# KiCad board jetson-nano-baseboard.kicad_pcb
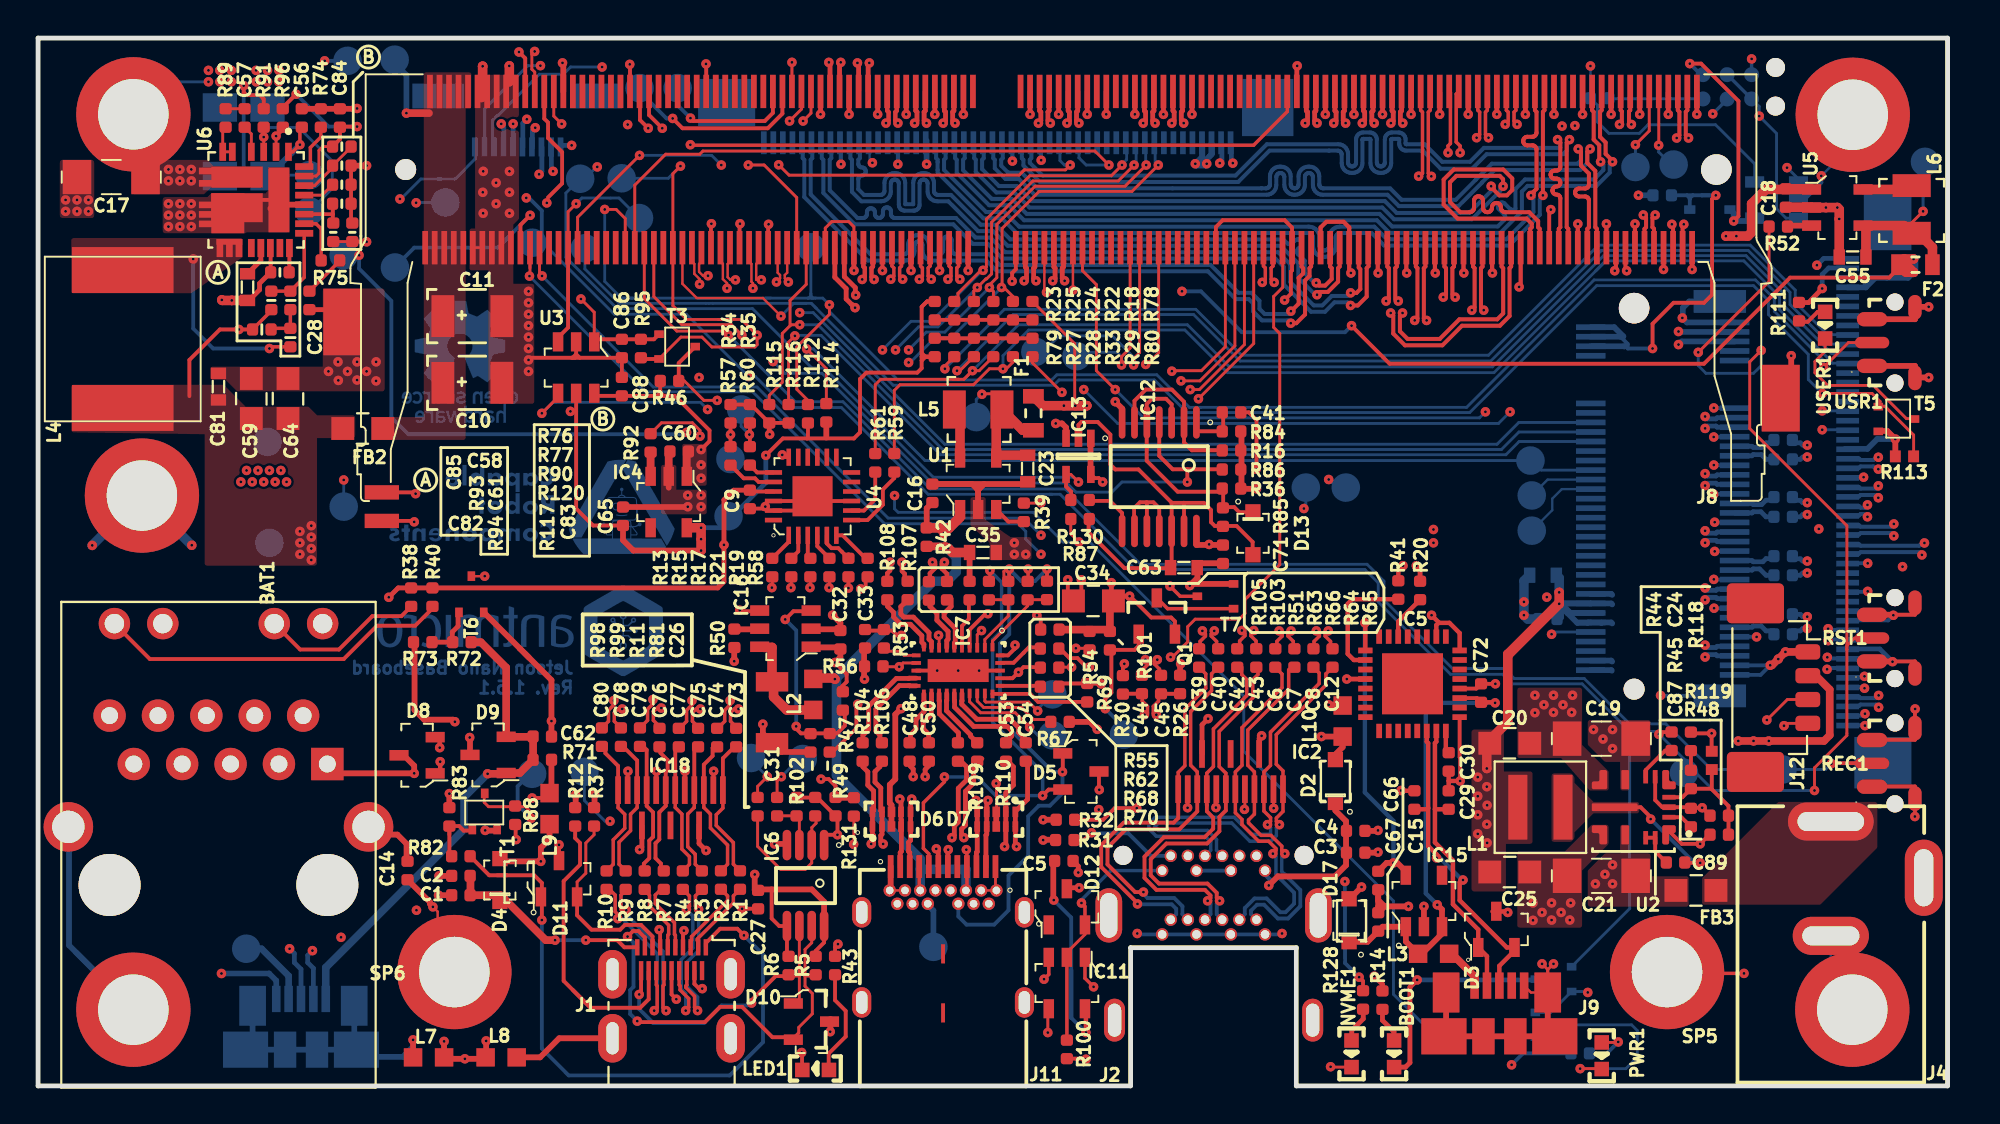
[diagram p0: board, top side]
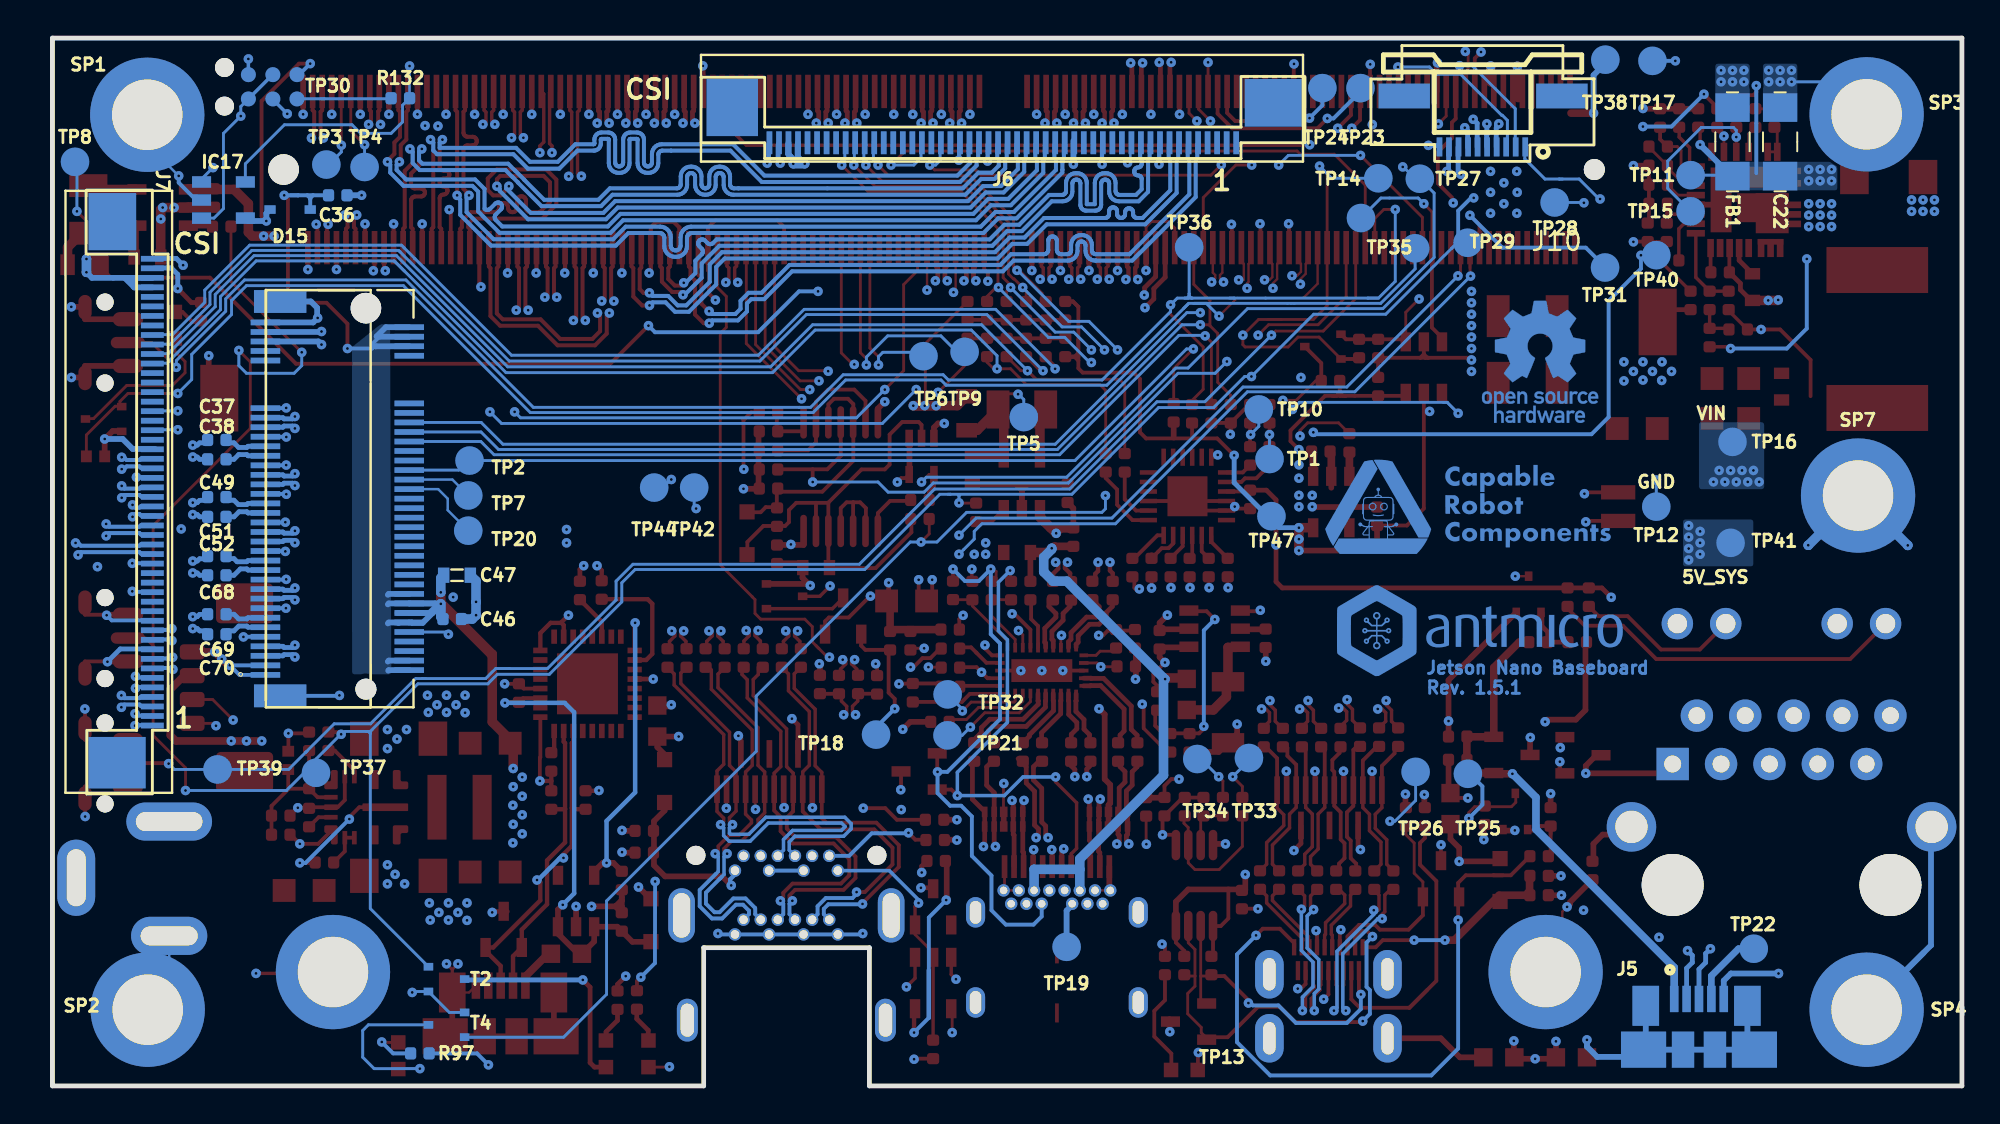
[diagram p1: board, bottom side, seen from below]

Outline 100.23 x 55 mm; copper layers: Top, In1_5V0_SYS_VIN.Cu, In2_SINGAL.Cu, In3_SIGNAL.Cu, In4_GND.Cu (plane), In5_3V3_SYS_SIGNAL.Cu, In6_GND.Cu (plane), Bottom. Coordinates in mm from the lower left corner of the outline.
Outline path: 0,55 100.23,55 100.23,0 66.04,0 66.04,7.26 57.34,7.26 57.34,0 0,0 0,55

## Placement (name value [footprint] x y rotation side)
BAT1  -  [MS621FE-FL11E]  18.04 30.41 90 top
BOOT1  ~  [LED0603]  71.18 1.68 90 top
C1  C_4u7_0402  [0402-cap]  22.19 10.01 0 top
C2  C_4u7_0402  [0402-cap]  22.19 11.02 0 top
C3  C_4u7_0402  [0402-cap]  69.16 12.24 180 top
C4  C_4u7_0402  [0402-cap]  69.16 13.39 180 top
C5  C_100n_0402  [0402-cap]  53.84 11.81 0 top
C6  C_100n_0402  [0402-cap]  64.94 22.46 270 top
C7  C_100n_0402  [0402-cap]  65.94 22.46 270 top
C8  C_100n_0402  [0402-cap]  66.94 22.46 270 top
C9  C_100n_0402  [0402-cap]  37.36 30.78 270 top
C10  C_330u_KEMET_B  [KEMET_B]  21.24 36.91 0 top
C11  C_330u_KEMET_B  [KEMET_B]  21.24 40.41 0 top
C12  C_100n_0402  [0402-cap]  67.94 22.46 270 top
C14  C_100p_0402  [0402-cap]  19.39 11.31 270 top
C15  C_47p_0402  [0402-cap]  72.24 15.01 270 top
C16  C_2u2_0402  [0402-cap]  46.94 31.11 90 top
C17  C_10u_1206_50V  [1206-cap]  3.84 47.71 180 top
C18  C_2u2_0402  [0402-cap]  91.74 46.61 270 top
C19  C_10u_1206_50V  [1206-cap]  82.06 18.23 180 top
C20  C_47u_0805  [0805-cap]  77.25 17.99 0 top
C21  C_10u_1206_50V  [1206-cap]  82.06 11.03 180 top
C22  C_10u_1206_50V  [1206-cap]  9.54 49.56 90 bottom
C23  C_10u_0603  [0603-cap]  51.94 32.41 270 top
C24  C_6p_0402  [0402-cap]  86.76 18.09 270 top
C25  C_10u_0805  [0805-cap]  77.25 11.23 0 top
C26  C_100n_0402  [0402-cap]  41.86 14.66 90 top
C27  C_100n_0402  [0402-cap]  37.79 9.78 90 top
C28  C_270p_25V_0402  [0402-res]  14.24 41.23 90 top
C29  C_47p_0402  [0402-cap]  74.04 15.01 270 top
C30  C_100n_0402  [0402-cap]  74.04 17.01 90 top
C31  100u  [1206]  38.52 19.61 90 top
C32  C_10u_0402  [0402-cap]  42.11 23.42 90 top
C33  C_100n_0402  [0402-cap]  43.41 23.47 270 top
C34  C_47u_0805  [0805-cap]  55.39 25.46 0 top
C35  C_10u_0603  [0603-cap]  49.59 28 180 top
C36  C_100n_0402  [0402-cap]  85.25 46.75 0 bottom
C37  C_100n_0402  [0402-cap]  91.6 33.91 0 bottom
C38  C_100n_0402  [0402-cap]  91.6 32.89 0 bottom
C39  C_100n_0402  [0402-cap]  60.94 22.46 270 top
C40  C_100n_0402  [0402-cap]  61.94 22.46 270 top
C41  C_47n_0402  [0402-cap]  62.64 35.36 180 top
C42  C_100n_0402  [0402-cap]  62.94 22.46 270 top
C43  C_100n_0402  [0402-cap]  63.94 22.46 270 top
C44  C_100n_0402  [0402-cap]  57.94 21.07 270 top
C45  C_100n_0402  [0402-cap]  58.94 21.07 270 top
C46  C_100n_0402  [0402-cap]  79.24 24.51 0 bottom
C47  C_10u_0603  [0603-cap]  78.99 26.81 0 bottom
C48  C_100n_0402  [0402-cap]  45.74 17.53 90 top
C49  C_100n_0402  [0402-cap]  91.6 30.91 0 bottom
C50  C_100n_0402  [0402-cap]  46.76 17.53 90 top
C51  C_100n_0402  [0402-cap]  91.6 29.87 0 bottom
C52  C_100n_0402  [0402-cap]  91.6 27.81 0 bottom
C53  C_100n_0402  [0402-cap]  50.81 17.53 90 top
C54  C_100n_0402  [0402-cap]  51.84 17.53 90 top
C55  C_10u_0603  [0603-cap]  95.24 43.51 180 top
C56  C_100n_0402_50V  [0402-cap]  13.84 50.81 90 top
C57  C_100n_0402  [0402-cap]  10.84 50.81 90 top
C58  C_33n_0402  [0402-cap]  12.69 42.71 180 top
C59  C_47u_0805  [0805-cap]  11.19 36.08 90 top
C60  C_2u2_0402  [0402-cap]  33.65 33.3 180 top
C61  C_1n2_50V_0402  [0402-res]  13.24 41.23 90 top
C62  C_4u7_0402  [0402-cap]  26.46 18.34 180 top
C63  C_10u_0603  [0603-cap]  60.14 27.21 180 top
C64  C_47u_0805  [0805-cap]  13.12 36.08 90 top
C65  C_1u_0402  [0402-cap]  30.7 29.9 90 top
C66  C_1u_0402  [0402-cap]  70.34 10.78 90 top
C67  C_2u2_0402  [0402-cap]  70.34 8.61 270 top
C68  C_100n_0402  [0402-cap]  91.6 26.8 0 bottom
C69  C_100n_0402  [0402-cap]  91.6 24.76 0 bottom
C70  C_100n_0402  [0402-cap]  91.6 23.71 0 bottom
C71  C_100n_0402  [0402-cap]  62.19 27.91 90 top
C72  C_100n_0402  [0402-cap]  75.74 20.62 270 top
C73  C_100n_0402  [0402-cap]  36.64 18.28 270 top
C74  C_100n_0402  [0402-cap]  35.64 18.28 270 top
C75  C_100n_0402  [0402-cap]  34.64 18.28 270 top
C76  C_100n_0402  [0402-cap]  32.62 18.28 270 top
C77  C_100n_0402  [0402-cap]  33.63 18.28 270 top
C78  C_100n_0402  [0402-cap]  30.59 18.31 270 top
C79  C_100n_0402  [0402-cap]  31.59 18.31 270 top
C80  C_100n_0402  [0402-cap]  29.59 18.31 270 top
C81  C_10u_0603  [0603-cap]  9.47 36.71 90 top
C82  C_1n2_50V_0402  [0402-res]  11.74 39.71 0 top
C83  C_100n_0402  [0402-cap]  16.49 44.81 270 top
C84  C_1u_0402  [0402-cap]  15.84 50.81 90 top
C85  C_4u7_0603  [0603-cap]  10.99 41.93 270 top
C86  C_100n_0402  [0402-cap]  30.64 38.71 90 top
C87  C_1u_0402  [0402-cap]  86.76 14.09 90 top
C88  C_100n_0402  [0402-cap]  30.64 36.71 270 top
C89  C_100n_0402  [0402-cap]  85.95 11.73 180 top
D2  1N4148WS  [SOD-323]  68.09 16 90 top
D3  PESD2USB5UV-TR  [SOT-23s]  76.54 8.22 90 top
D4  1N4148WS  [SOD-323]  24.24 10.81 90 top
D5  PESD2USB5UV-TR  [SOT-23s]  54.73 16.51 0 top
D6  -  [TPD4E05U06_PASS]  44.79 14 0 top
D7  -  [TPD4E05U06_PASS]  50.29 14 180 top
D8  PESD2USB5UV-TR  [SOT-23s]  19.89 17.36 180 top
D9  PESD2USB5UV-TR  [SOT-23s]  23.62 17.37 180 top
D10  PESD2USB5UV-TR  [SOT-23s]  40.59 3.38 0 top
D11  PESD2USB5UV-TR  [SOT-23s]  27.34 10.87 90 top
D12  PESD2USB5UV-TR  [SOT-23s]  54 9.4 90 top
D13  1N4148WS  [SOD-323]  63.77 29.01 270 top
D15  diode  [SOD-323#2]  87.75 46 180 bottom
D17  1N4148WS  [SOD-323]  68.81 8.7 90 top
F1  04671.25NR  [0603-Fuse-Littelfuse-0467]  52.24 35.31 90 top
F2  04671.25NR  [0603-Fuse-Littelfuse-0467]  98.54 43.11 0 top
FB1  74279221100  [1206-res]  12.04 49.56 270 bottom
FB2  742792022  [0805-res]  17.04 34.51 0 top
FB3  742792022  [0805-res]  87.02 10.26 180 top
IC2  ~  [SON-15]  62.59 16.5 0 top
IC4  TPS7A0518PDBVT  [SOT-23-5]  33.1 30.65 180 top
IC5  ~  [QFN-32]  72.14 21.11 0 top
IC6  PCA9517ADP  [MSOP-8]  40.28 10.52 270 top
IC7  HD3SS3220  [RNH0030A]  48.29 21.8 270 top
IC11  SN74LV1T125DBVR  [SOT-23-5]  54 5.4 180 top
IC12  74HC00PW  [TSSOP-14]  58.85 31.98 270 top
IC13  SN74LVC1G126DCKR  [R-PDSO-G5]  54.61 33.05 270 top
IC15  TPS7A0518PDBVT  [SOT-23-5]  72.74 9.71 0 top
IC16  AP22652W6-7  [SOT-23-6]  39.23 24 90 top
IC17  AT24CS01-ST  [SOT23-5]  91.25 46.5 180 bottom
IC18  ~  [SON-15]  33.19 14.6 180 top
J1  46756-1001  [HDMI_Micro-D_Molex_46765-1x01]  33.25 2.5 0 top
J2  -  [2129320-3]  61.7 7.78 0 top
J3  -  [SI-51005-F]  9.47 17.41 0 top
J4  ~  [DC_SOCKET]  94.1 0.18 0 top
J5  ~  [CON-Molex-047346-0001]  13.8 3.3 180 bottom
J6  WE_68715014522  [WE_68715014522_ONE-SIDE]  50.34 48.91 0 bottom
J7  -  [WE_68715014022]  95.64 31.81 90 bottom
J8  ~  [MDT580M01001]  85.27 30.82 0 bottom
J9  ~  [CON-Molex-047346-0001]  76.7 4 0 top
J10  -  [5051101097]  25.04 51.31 0 bottom
J11  632723300011  [WE_632723300011]  47.5 5.88 0 top
J12  533980471  [Molex_PicoBlade_53398-0471_1x04-1MP_P1.25mm_Vertical]  91.64 20.91 270 top
L1  XFL4020-222MEC  [XFL4015-122MEC]  78.86 14.63 0 top
L2  BLM18SG121TN1D  [0603]  40.69 20.55 90 top
L3  BLM18SG121TN1D  [0603]  73.25 6.93 180 top
L4  IHLP3232DZER3R3M01  [IHLP3232DZ]  4.44 39.21 270 top
L5  -  [LQH32PN2R2NN0L]  49.34 35.51 0 top
L6  -  [LQH32PN2R2NN0L]  98.34 46.01 270 top
L7  BLM18SG121TN1D  [0603]  20.5 1.5 0 top
L8  BLM18SG121TN1D  [0603]  24.31 1.5 0 top
L9  BLM18SG121TN1D  [0603]  26.84 14.55 270 top
L10  BLM18SG121TN1D  [0603]  68.48 19.15 270 top
LED1  ~  [LED0603]  40.81 0.84 0 top
M1  ~  [jetson-nano-connector]  85.49 6.1 0 top
M2  ~  [jetson-nano-module]  85.48 5.97 0 top
N1  antmicro_logo  [antmicro-logo_scaled_15mm]  24.85 23.83 180 bottom
N2  oshw_logo  [oshw-logo]  22.14 38.01 180 bottom
N3  crc_logo  [CRC_logo_15mm]  26.04 30.41 180 bottom
NVME1  ~  [LED0603]  68.94 1.68 90 top
PWR1  ~  [LED0603]  82.07 1.58 90 top
Q1  PMV32UP  [SOT-23s]  58.72 24.66 90 top
R1  R_5R6_0402  [0402-res]  36.84 10.81 270 top
R2  R_5R6_0402  [0402-res]  35.84 10.81 270 top
R3  R_5R6_0402  [0402-res]  34.84 10.8 270 top
R4  R_5R6_0402  [0402-res]  33.84 10.8 270 top
R5  R_2k_0402  [0402-res]  40.81 6.32 270 top
R6  R_2k_0402  [0402-res]  39.39 6.32 270 top
R7  R_5R6_0402  [0402-res]  32.84 10.8 270 top
R8  R_5R6_0402  [0402-res]  31.84 10.8 270 top
R9  R_5R6_0402  [0402-res]  30.84 10.8 270 top
R10  R_5R6_0402  [0402-res]  29.84 10.8 270 top
R11  R_2k_0402  [0402-res]  39.81 14.66 270 top
R12  R_0R_0402  [0402-res]  28.19 14.12 270 top
R13  R_0R_0402  [0402-res]  38.54 27.21 90 top
R14  R_470R_0402  [0402-res]  70.57 4.5 90 top
R15  R_0R_0402  [0402-res]  39.54 27.21 90 top
R16  R_1k_0402  [0402-res]  62.64 33.36 180 top
R17  R_0R_0402  [0402-res]  40.54 27.21 90 top
R18  R_2k_0402  [0402-res]  51.17 40.69 90 top
R19  R_0R_0402  [0402-res]  42.54 27.21 90 top
R20  R_22R_0402  [0402-res]  72.54 26.01 90 top
R21  R_0R_0402  [0402-res]  41.54 27.21 90 top
R22  R_2k_0402  [0402-res]  50.14 40.69 90 top
R23  R_0R_0402  [0402-res]  47.06 40.69 90 top
R24  R_2k_0402  [0402-res]  49.12 40.69 90 top
R25  R_2k_0402  [0402-res]  48.09 40.69 90 top
R26  R_100k_0402  [0402-res]  59.94 21.07 90 top
R27  R_2k_0402  [0402-res]  48.09 38.76 270 top
R28  R_2k_0402  [0402-res]  49.12 38.76 270 top
R29  R_2k_0402  [0402-res]  51.17 38.76 270 top
R30  R_100k_0402  [0402-res]  56.94 21.05 270 top
R31  R_1M0_0402  [0402-res]  53.89 12.91 0 top
R32  R_1M0_0402  [0402-res]  53.92 13.97 0 top
R33  R_2k_0402  [0402-res]  50.14 38.76 270 top
R34  R_2k_0402  [0402-res]  36.34 35.28 270 top
R35  R_2k_0402  [0402-res]  37.36 35.28 270 top
R36  R_1k_0402  [0402-res]  62.64 31.36 180 top
R37  R_2k_0402  [0402-res]  29.18 14.12 90 top
R38  R_220R_0402  [0402-res]  19.58 25.65 90 top
R39  R_10k_0402  [0402-res]  51.74 30.11 90 top
R40  R_220R_0402  [0402-res]  20.7 25.65 270 top
R41  R_22R_0402  [0402-res]  71.4 26.03 90 top
R42  R_0R_0402  [0402-res]  46.64 28.81 270 top
R43  R_470R_0402  [0402-res]  41.83 6.32 90 top
R44  R_10k_0402  [0402-res]  85.74 18.09 90 top
R45  R_1k_0402  [0402-res]  86.76 16.09 270 top
R46  R_10k_0402  [0402-res]  33.14 37.01 180 top
R47  R_10k_0402  [0402-res]  42.24 20.21 90 top
R48  R_0R_0402  [0402-res]  88.24 13.19 0 top
R49  R_0R_0402  [0402-res]  41.55 18.01 90 top
R50  R_12k4_0402  [0402-res]  36.55 23.5 90 top
R51  R_909k_0402  [0402-res]  48.89 26 90 top
R52  R_10k_0402  [0402-res]  91.34 45.11 180 top
R53  R_200k_0402  [0402-res]  44.4 23.47 90 top
R54  R_10k_0402  [0402-res]  55.19 23.37 270 top
R55  R_2k_0402  [0402-res]  53.11 23.95 180 top
R56  R_0R_0402  [0402-res]  43.86 22.02 0 top
R57  R_0R_0402  [0402-res]  36.34 33.07 90 top
R58  R_0R_0402  [0402-res]  43.54 27.21 90 top
R59  R_0R_0402  [0402-res]  44.94 32.71 270 top
R60  R_0R_0402  [0402-res]  37.36 33.07 90 top
R61  R_0R_0402  [0402-res]  43.94 32.71 270 top
R62  R_0R_0402  [0402-res]  53.09 22.96 180 top
R63  R_0R_0402  [0402-res]  49.91 26 90 top
R64  R_0R_0402  [0402-res]  51.94 26 90 top
R65  R_0R_0402  [0402-res]  52.96 26.01 270 top
R66  R_0R_0402  [0402-res]  50.92 26 270 top
R67  R_200k_0402  [0402-res]  53.64 19.11 0 top
R68  R_0R_0402  [0402-res]  53.09 21.96 180 top
R69  R_2k_0402  [0402-res]  55.07 20.64 270 top
R70  R_2k_0402  [0402-res]  53.09 20.96 180 top
R71  R_0R_0402  [0402-res]  26.46 17.12 180 top
R72  R_10k_0402  [0402-res]  22.25 23.29 180 top
R73  R_2k_0402  [0402-res]  20.19 23.29 180 top
R74  R_2k_0402  [0402-res]  14.84 50.81 90 top
R75  R_316k_0402  [0402-res]  15.34 43.33 0 top
R76  R_0R_0402  [0402-res]  15.94 49.31 180 top
R77  R_60k4_1%_0402  [0402-res]  15.94 48.31 0 top
R78  R_0R_0402  [0402-res]  52.19 40.69 90 top
R79  R_0R_0402  [0402-res]  47.06 38.76 270 top
R80  R_0R_0402  [0402-res]  52.19 38.76 270 top
R81  R_2k_0402  [0402-res]  40.79 14.66 270 top
R82  R_0R_0402  [0402-res]  22.19 12.06 180 top
R83  R_2k_0402  [0402-res]  21.59 14.12 90 top
R84  R_200k_0402  [0402-res]  62.64 34.36 0 top
R85  R_470k_0402  [0402-res]  62.19 29.86 270 top
R86  R_200k_0402  [0402-res]  62.64 32.36 0 top
R87  R_1k_0402  [0402-res]  54.69 29.76 0 top
R88  R_2k_0402  [0402-res]  25.04 14.21 90 top
R89  R_3R3_0402  [0402-res]  9.84 50.81 270 top
R90  R_26k7_0402  [0402-res]  15.94 47.31 0 top
R91  R_100k_0402  [0402-res]  11.84 50.81 90 top
R92  R_0R_0402  [0402-res]  32.15 33.75 90 top
R93  R_0R_0402  [0402-res]  12.24 41.23 90 top
R94  R_8k66_1%_0402  [0402-res]  13.24 39.28 90 top
R95  R_10k_0402  [0402-res]  31.64 38.71 270 top
R96  R_100k_0402  [0402-res]  12.84 50.81 270 top
R97  R_470R_0402  [0402-res]  80.94 1.71 180 bottom
R98  R_0R_0402  [0402-res]  37.77 14.66 90 top
R99  R_0R_0402  [0402-res]  38.79 14.66 90 top
R100  R_100k_0402  [0402-res]  54 1.92 90 top
R101  R_100k_0402  [0402-res]  56.26 23.37 90 top
R102  R_0R_0402  [0402-res]  40.54 18.01 90 top
R103  R_0R_0402  [0402-res]  47.71 26 270 top
R104  R_0R_0402  [0402-res]  43.28 17.53 270 top
R105  R_0R_0402  [0402-res]  46.76 25.98 270 top
R106  R_0R_0402  [0402-res]  44.29 17.53 270 top
R107  R_0R_0402  [0402-res]  45.64 26.01 270 top
R108  R_0R_0402  [0402-res]  44.57 26 270 top
R109  R_0R_0402  [0402-res]  48.28 17.53 270 top
R110  R_0R_0402  [0402-res]  49.29 17.53 270 top
R111  R_470R_0402  [0402-res]  92.43 40.64 90 top
R112  R_100k_0402  [0402-res]  40.41 35.28 90 top
R113  100k  [0402]  97.96 33.05 180 top
R114  R_10k_0402  [0402-res]  41.37 35.33 270 top
R115  R_10k_0402  [0402-res]  38.38 35.28 270 top
R116  R_10k_0402  [0402-res]  39.39 35.28 270 top
R117  R_52k3_0402  [0402-res]  15.49 44.81 90 top
R118  R_100k_1%_0402  [0402]  87.85 17.09 270 top
R119  R_44k2_0402  [0402-res]  88.24 14.19 180 top
R120  R_10k_0402  [0402-res]  15.94 46.31 0 top
R128  R_220R_0402  [0402-res]  69.55 4.51 90 top
R130  R_0R_0402  [0402-res]  54.69 30.76 0 top
R131  R_10k_0402  [0402-res]  42.82 14.64 270 top
R132  R_0R_0402  [0402-res]  81.97 51.84 0 bottom
REC1  ~  [TL3340AF160QG]  97.47 16.93 0 top
RST1  ~  [TL3340AF160QG]  97.47 23.51 0 top
SP1  9774060151  [M2.5-6mm]  95.25 50.98 0 bottom
SP2  9774060151  [M2.5-6mm]  95.23 4 0 bottom
SP3  9774060151  [M2.5-6mm]  5 51 0 bottom
SP4  9774060151  [M2.5-6mm]  5 4 0 bottom
SP5  9774060151  [M2.5-6mm]  85.5 5.98 0 top
SP6  9774060151  [M2.5-6mm]  21.85 5.98 0 top
SP7  9774040151  [9774060151]  5.45 30.99 0 bottom
T1  BSS138APW  [SC70-3]  23.44 14.41 90 top
T2  BSS138APW  [SC70-3]  79.54 5.61 180 bottom
T3  BSS138APW  [SC70-3]  33.54 38.81 0 top
T4  BSS138APW  [SC70-3]  79.54 3.21 0 bottom
T5  BSS138APW  [SC70-3]  97.54 35.01 0 top
T6  BSS138APW  [SC70-3]  22.74 25.81 90 top
T7  BSS138APW  [SC70-3]  61.8 25.7 180 top
TP1  ~  [TP-R-1.5]  36.34 32.91 0 bottom
TP2  ~  [TP-R-1.5]  78.33 32.82 0 bottom
TP3  ~  [TP-R-1.5]  85.85 48.36 0 bottom
TP4  ~  [TP-R-1.5]  83.84 48.23 0 bottom
TP5  ~  [TP-R-1.5]  49.24 35.11 0 bottom
TP6  ~  [TP-R-1.5]  54.51 38.3 0 bottom
TP7  ~  [TP-R-1.5]  78.4 30.99 0 bottom
TP8  ~  [TP-R-1.5]  99.04 48.51 0 bottom
TP9  ~  [TP-R-1.5]  52.35 38.53 0 bottom
TP10  ~  [TP-R-1.5]  36.9 35.51 0 bottom
TP11  Testpad  [TP-R-1.5]  14.24 47.81 0 bottom
TP12  Testpad  [TP-R-1.5]  16.04 30.41 0 bottom
TP13  ~  [TP-R-1.5]  31.54 45.56 0 bottom
TP14  ~  [TP-R-1.5]  30.63 47.64 0 bottom
TP15  Testpad  [TP-R-1.5]  14.24 45.91 0 bottom
TP16  ~  [TP-R-1.5]  12.04 33.81 0 bottom
TP17  ~  [TP-R-1.5]  16.24 53.81 0 bottom
TP18  ~  [TP-R-1.5]  56.99 18.44 0 bottom
TP19  ~  [TP-R-1.5]  46.99 7.3 0 bottom
TP20  ~  [TP-R-1.5]  78.4 29.14 0 bottom
TP21  ~  [TP-R-1.5]  53.25 18.4 0 bottom
TP22  ~  [TP-R-1.5]  10.93 7.2 0 bottom
TP23  ~  [TP-R-1.5]  31.57 52.37 0 bottom
TP24  ~  [TP-R-1.5]  33.57 52.37 0 bottom
TP25  ~  [TP-R-1.5]  25.93 16.38 0 bottom
TP26  ~  [TP-R-1.5]  28.67 16.48 0 bottom
TP27  ~  [TP-R-1.5]  28.45 47.62 0 bottom
TP28  ~  [TP-R-1.5]  21.38 46.37 0 bottom
TP29  ~  [TP-R-1.5]  25.94 44.26 0 bottom
TP30  -  [TC2030]  88.66 52.44 0 bottom
TP31  ~  [TP-R-1.5]  18.73 42.96 0 bottom
TP32  ~  [TP-R-1.5]  53.24 20.55 0 bottom
TP33  ~  [TP-R-1.5]  37.42 17.21 0 bottom
TP34  ~  [TP-R-1.5]  40.14 17.16 0 bottom
TP35  ~  [TP-R-1.5]  28.7 43.97 0 bottom
TP36  ~  [TP-R-1.5]  40.56 44.02 0 bottom
TP37  ~  [TP-R-1.5]  86.39 16.44 0 bottom
TP38  ~  [TP-R-1.5]  18.72 53.87 0 bottom
TP39  ~  [TP-R-1.5]  91.56 16.61 0 bottom
TP40  Testpad  [TP-R-1.5]  16.04 43.61 0 bottom
TP41  Testpad  [TP-R-1.5]  12.14 28.51 0 bottom
TP42  ~  [TP-R-1.5]  66.54 31.41 0 bottom
TP44  ~  [TP-R-1.5]  68.64 31.41 0 bottom
TP47  ~  [TP-R-1.5]  36.24 29.91 0 bottom
U1  LM3671MF-3.3/NOPB  [SOT-23-5]  49.34 31.61 0 top
U2  LM62440-Q1  [VQFN-14-HR]  83.76 14.63 180 top
U3  SN74LXC1T45DBVR  [SOT-23-6]  28.24 37.71 180 top
U4  PCA9547BS,118  [HVQFN24]  40.65 30.95 90 top
U5  LM3671MF-3.3/NOPB  [SOT-23-5]  94.44 46.11 270 top
U6  SIC477ED-T1-GE3  [SIC47XED-T1-GE3]  11.44 46.51 270 top
USER1  ~  [LED0603]  93.8 39.93 90 top
USR1  ~  [TL3340AF160QG]  97.47 39.02 0 top

## Library data of the parts
J1 = -: Field4: KEEPOUT

## Footprints (pads in the part's own frame, mm; a bottom-side part is the same pattern mirrored in y, then rotated)
0402
  rect 0.57x0.62 smd: 1(-0.48,0) 2(0.48,0)
0402-cap
  rrect 0.59x0.64 smd: 1(-0.485,0) 2(0.485,0)
0402-res
  rrect 0.59x0.64 smd: 1(-0.485,0) 2(0.485,0)
0603
  rect 0.97x0.96 smd: 1(-0.815,0) 2(0.815,0)
0603-cap
  rect 0.6x0.8 smd: 1(-0.7,0) 2(0.7,0)
0603-Fuse-Littelfuse-0467
  rect 0.762x1.09 smd: 1(-0.891,0) 2(0.891,0)
0805-cap
  rect 1.2x1.2 smd: 1(-1.05,0) 2(1.05,0)
0805-res
  rect 1.2x1.2 smd: 1(-1.05,0) 2(1.05,0)
1206
  rect 1.016x1.7 smd: 1(-1.6,0) 2(1.6,0)
1206-cap
  rect 1.5x1.8 smd: 1(-1.8,0) 2(1.8,0)
1206-res
  rect 1.5x1.8 smd: 1(-1.8,0) 2(1.8,0)
2129320-3
  round 0.65 hole 0.45: 1(-2.7,0.175) 2(-2.7,3.525) 3(-2.25,0.95) 4(-2.25,4.3) 5(-1.35,0.95) 6(-1.35,4.3) 7(-0.9,0.175) 8(-0.9,3.525) 9(-0.45,0.95) 10(-0.45,4.3) 11(0.45,0.95) 12(0.45,4.3) 13(0.908,0.175) 14(0.908,3.525) 15(1.35,0.95) 16(1.35,4.3) 17(2.25,0.95) 18(2.25,4.3) 19(2.7,0.175) 20(2.7,3.525)
  oval 1.4x2.85 hole 0.9x2.35: 21(-5.5,1.175) 24(5.5,1.175)
  oval 1.1x2.25 hole 0.7x1.74: 22(-5.2,-4.325) 23(5.2,-4.325)
  round 1 hole 1: M(-4.75,4.325) M(4.75,4.325)
5051101097
  rect 0.3x1 smd: 1(-2.12,2.017) 2(-1.62,2.017) 3(-1.12,2.017) 4(-0.62,2.017) 5(-0.12,2.017) 6(0.38,2.017) 7(0.88,2.017) 8(1.38,2.017) 9(1.88,2.017) 10(2.38,2.017)
  rect 2.7x1.3 smd: ~(-4.046,-0.655) ~(4.232,-0.655)
9774060151
  round 6 hole 3.7: 1(0,0)
CON-Molex-047346-0001
  rect 0.45x1.38 smd: 1(-1.3,1.263) 2(-0.65,1.263) 3(0,1.263) 4(0.65,1.263) 5(1.3,1.263)
  rect 2.37x1.9 smd: S(-2.91,-1.397) S(2.91,-1.397)
  rect 1.4x2.1 smd: S(-2.794,0.903) S(2.54,0.903)
  rect 1.175x1.9 smd: S(-0.838,-1.397) S(0.838,-1.397)
DC_SOCKET
  oval 4.5x2 hole 3.5x1: 1(0,13.7)
  oval 1.99x4 hole 1x3: 2(4.88,10.75)
  oval 4x2 hole 3x1: 3(0,7.7)
HDMI_Micro-D_Molex_46765-1x01
  rect 0.23x0.85 smd: 1(1.8,4.775) 3(1.4,4.775) 5(1,4.775) 7(0.6,4.775) 9(0.2,4.775) 11(-0.2,4.775) 13(-0.6,4.775) 15(-1,4.775) 17(-1.4,4.775) 19(-1.8,4.775)
  rect 0.23x1 smd: 2(1.6,3.55) 4(1.2,3.55) 6(0.8,3.55) 8(0.4,3.55) 10(0,3.55) 12(-0.4,3.55) 14(-0.8,3.55) 16(-1.2,3.55) 18(-1.6,3.55)
  oval 1.5x2.55 hole 0.65x1.7: SH(-3.1,3.36) SH(-3.1,0) SH(3.1,3.36) SH(3.1,0)
HVQFN24
  rect 0.9x0.24 smd: 1(-2.05,1.25) 2(-2.05,0.75) 3(-2.05,0.25) 4(-2.05,-0.25) 5(-2.05,-0.75) 6(-2.05,-1.25) 13(2.05,-1.25) 14(2.05,-0.75) 15(2.05,-0.25) 16(2.05,0.25) 17(2.05,0.75) 18(2.05,1.25)
  rect 0.24x0.9 smd: 7(-1.25,-2.05) 8(-0.75,-2.05) 9(-0.25,-2.05) 10(0.25,-2.05) 11(0.75,-2.05) 12(1.25,-2.05) 19(1.25,2.05) 20(0.75,2.05) 21(0.25,2.05) 22(-0.25,2.05) 23(-0.75,2.05) 24(-1.25,2.05)
  rect 2.1x2.1 smd: 25(0,0)
IHLP3232DZ
  rect 2.413x5.335 smd: 1(-3.619,0) 2(3.619,0)
jetson-nano-connector
  round 1.1 hole 1.1: (-66.2,42)
  rect 0.3x1.75 smd: 1(1.575,46.1) 2(1.325,37.9) 3(1.075,46.1) 4(0.825,37.9) 5(0.575,46.1) 6(0.325,37.9) 7(0.075,46.1) 8(-0.175,37.9) 9(-0.425,46.1) 10(-0.675,37.9) 11(-0.925,46.1) 12(-1.175,37.9) 13(-1.425,46.1) 14(-1.675,37.9) 15(-1.925,46.1) 16(-2.175,37.9) 17(-2.425,46.1) 18(-2.675,37.9) 19(-2.925,46.1) 20(-3.175,37.9) 21(-3.425,46.1) 22(-3.675,37.9) 23(-3.925,46.1) 24(-4.175,37.9) 25(-4.425,46.1) 26(-4.675,37.9) 27(-4.925,46.1) 28(-5.175,37.9) 29(-5.425,46.1) 30(-5.675,37.9) 31(-5.925,46.1) 32(-6.175,37.9) 33(-6.425,46.1) 34(-6.675,37.9) 35(-6.925,46.1) 36(-7.175,37.9) 37(-7.425,46.1) 38(-7.675,37.9) 39(-7.925,46.1) 40(-8.175,37.9) 41(-8.425,46.1) 42(-8.675,37.9) 43(-8.925,46.1) 44(-9.175,37.9) 45(-9.425,46.1) 46(-9.675,37.9) 47(-9.925,46.1) 48(-10.175,37.9) 49(-10.425,46.1) 50(-10.675,37.9) 51(-10.925,46.1) 52(-11.175,37.9) 53(-11.425,46.1) 54(-11.675,37.9) 55(-11.925,46.1) 56(-12.175,37.9) 57(-12.425,46.1) 58(-12.675,37.9) 59(-12.925,46.1) 60(-13.175,37.9) 61(-13.425,46.1) 62(-13.675,37.9) 63(-13.925,46.1) 64(-14.175,37.9) 65(-14.425,46.1) 66(-14.675,37.9) 67(-14.925,46.1) 68(-15.175,37.9) 69(-15.425,46.1) 70(-15.675,37.9) 71(-15.925,46.1) 72(-16.175,37.9) 73(-16.425,46.1) 74(-16.675,37.9) 75(-16.925,46.1) 76(-17.175,37.9) 77(-17.425,46.1) 78(-17.675,37.9) 79(-17.925,46.1) 80(-18.175,37.9) 81(-18.425,46.1) 82(-18.675,37.9) 83(-18.925,46.1) 84(-19.175,37.9) 85(-19.425,46.1) 86(-19.675,37.9) 87(-19.925,46.1) 88(-20.175,37.9) 89(-20.425,46.1) 90(-20.675,37.9) 91(-20.925,46.1) 92(-21.175,37.9) 93(-21.425,46.1) 94(-21.675,37.9) 95(-21.925,46.1) 96(-22.175,37.9) 97(-22.425,46.1) 98(-22.675,37.9) 99(-22.925,46.1) 100(-23.175,37.9) 101(-23.425,46.1) 102(-23.675,37.9) 103(-23.925,46.1) 104(-24.175,37.9) 105(-24.425,46.1) 106(-24.675,37.9) 107(-24.925,46.1) 108(-25.175,37.9) 109(-25.425,46.1) 110(-25.675,37.9) 111(-25.925,46.1) 112(-26.175,37.9) 113(-26.425,46.1) 114(-26.675,37.9) 115(-26.925,46.1) 116(-27.175,37.9) 117(-27.425,46.1) 118(-27.675,37.9) 119(-27.925,46.1) 120(-28.175,37.9) 121(-28.425,46.1) 122(-28.675,37.9) 123(-28.925,46.1) 124(-29.175,37.9) 125(-29.425,46.1) 126(-29.675,37.9) 127(-29.925,46.1) 128(-30.175,37.9) 129(-30.425,46.1) 130(-30.675,37.9) 131(-30.925,46.1) 132(-31.175,37.9) 133(-31.425,46.1) 134(-31.675,37.9) 135(-31.925,46.1) 136(-32.175,37.9) 137(-32.425,46.1) 138(-32.675,37.9) 139(-32.925,46.1) 140(-33.175,37.9) 141(-33.425,46.1) 142(-33.675,37.9) 143(-33.925,46.1) 144(-34.175,37.9) 145(-36.425,46.1) 146(-36.675,37.9) 147(-36.925,46.1) 148(-37.175,37.9) 149(-37.425,46.1) 150(-37.675,37.9) 151(-37.925,46.1) 152(-38.175,37.9) 153(-38.425,46.1) 154(-38.675,37.9) 155(-38.925,46.1) 156(-39.175,37.9) 157(-39.425,46.1) 158(-39.675,37.9) 159(-39.925,46.1) 160(-40.175,37.9) 161(-40.425,46.1) 162(-40.675,37.9) 163(-40.925,46.1) 164(-41.175,37.9) 165(-41.425,46.1) 166(-41.675,37.9) 167(-41.925,46.1) 168(-42.175,37.9) 169(-42.425,46.1) 170(-42.675,37.9) 171(-42.925,46.1) 172(-43.175,37.9) 173(-43.425,46.1) 174(-43.675,37.9) 175(-43.925,46.1) 176(-44.175,37.9) 177(-44.425,46.1) 178(-44.675,37.9) 179(-44.925,46.1) 180(-45.175,37.9) 181(-45.425,46.1) 182(-45.675,37.9) 183(-45.925,46.1) 184(-46.175,37.9) 185(-46.425,46.1) 186(-46.675,37.9) 187(-46.925,46.1) 188(-47.175,37.9) 189(-47.425,46.1) 190(-47.675,37.9) 191(-47.925,46.1) 192(-48.175,37.9) 193(-48.425,46.1) 194(-48.675,37.9) 195(-48.925,46.1) 196(-49.175,37.9) 197(-49.425,46.1) 198(-49.675,37.9) 199(-49.925,46.1) 200(-50.175,37.9) 201(-50.425,46.1) 202(-50.675,37.9) 203(-50.925,46.1) 204(-51.175,37.9) 205(-51.425,46.1) 206(-51.675,37.9) 207(-51.925,46.1) 208(-52.175,37.9) 209(-52.425,46.1) 210(-52.675,37.9) 211(-52.925,46.1) 212(-53.175,37.9) 213(-53.425,46.1) 214(-53.675,37.9) 215(-53.925,46.1) 216(-54.175,37.9) 217(-54.425,46.1) 218(-54.675,37.9) 219(-54.925,46.1) 220(-55.175,37.9) 221(-55.425,46.1) 222(-55.675,37.9) 223(-55.925,46.1) 224(-56.175,37.9) 225(-56.425,46.1) 226(-56.675,37.9) 227(-56.925,46.1) 228(-57.175,37.9) 229(-57.425,46.1) 230(-57.675,37.9) 231(-57.925,46.1) 232(-58.175,37.9) 233(-58.425,46.1) 234(-58.675,37.9) 235(-58.925,46.1) 236(-59.175,37.9) 237(-59.425,46.1) 238(-59.675,37.9) 239(-59.925,46.1) 240(-60.175,37.9) 241(-60.425,46.1) 242(-60.675,37.9) 243(-60.925,46.1) 244(-61.175,37.9) 245(-61.425,46.1) 246(-61.675,37.9) 247(-61.925,46.1) 248(-62.175,37.9) 249(-62.425,46.1) 250(-62.675,37.9) 251(-62.925,46.1) 252(-63.175,37.9) 253(-63.425,46.1) 254(-63.675,37.9) 255(-63.925,46.1) 256(-64.175,37.9) 257(-64.425,46.1) 258(-64.675,37.9) 259(-64.925,46.1) 260(-65.175,37.9)